# Altium PCB PCB.PcbDoc (continued)
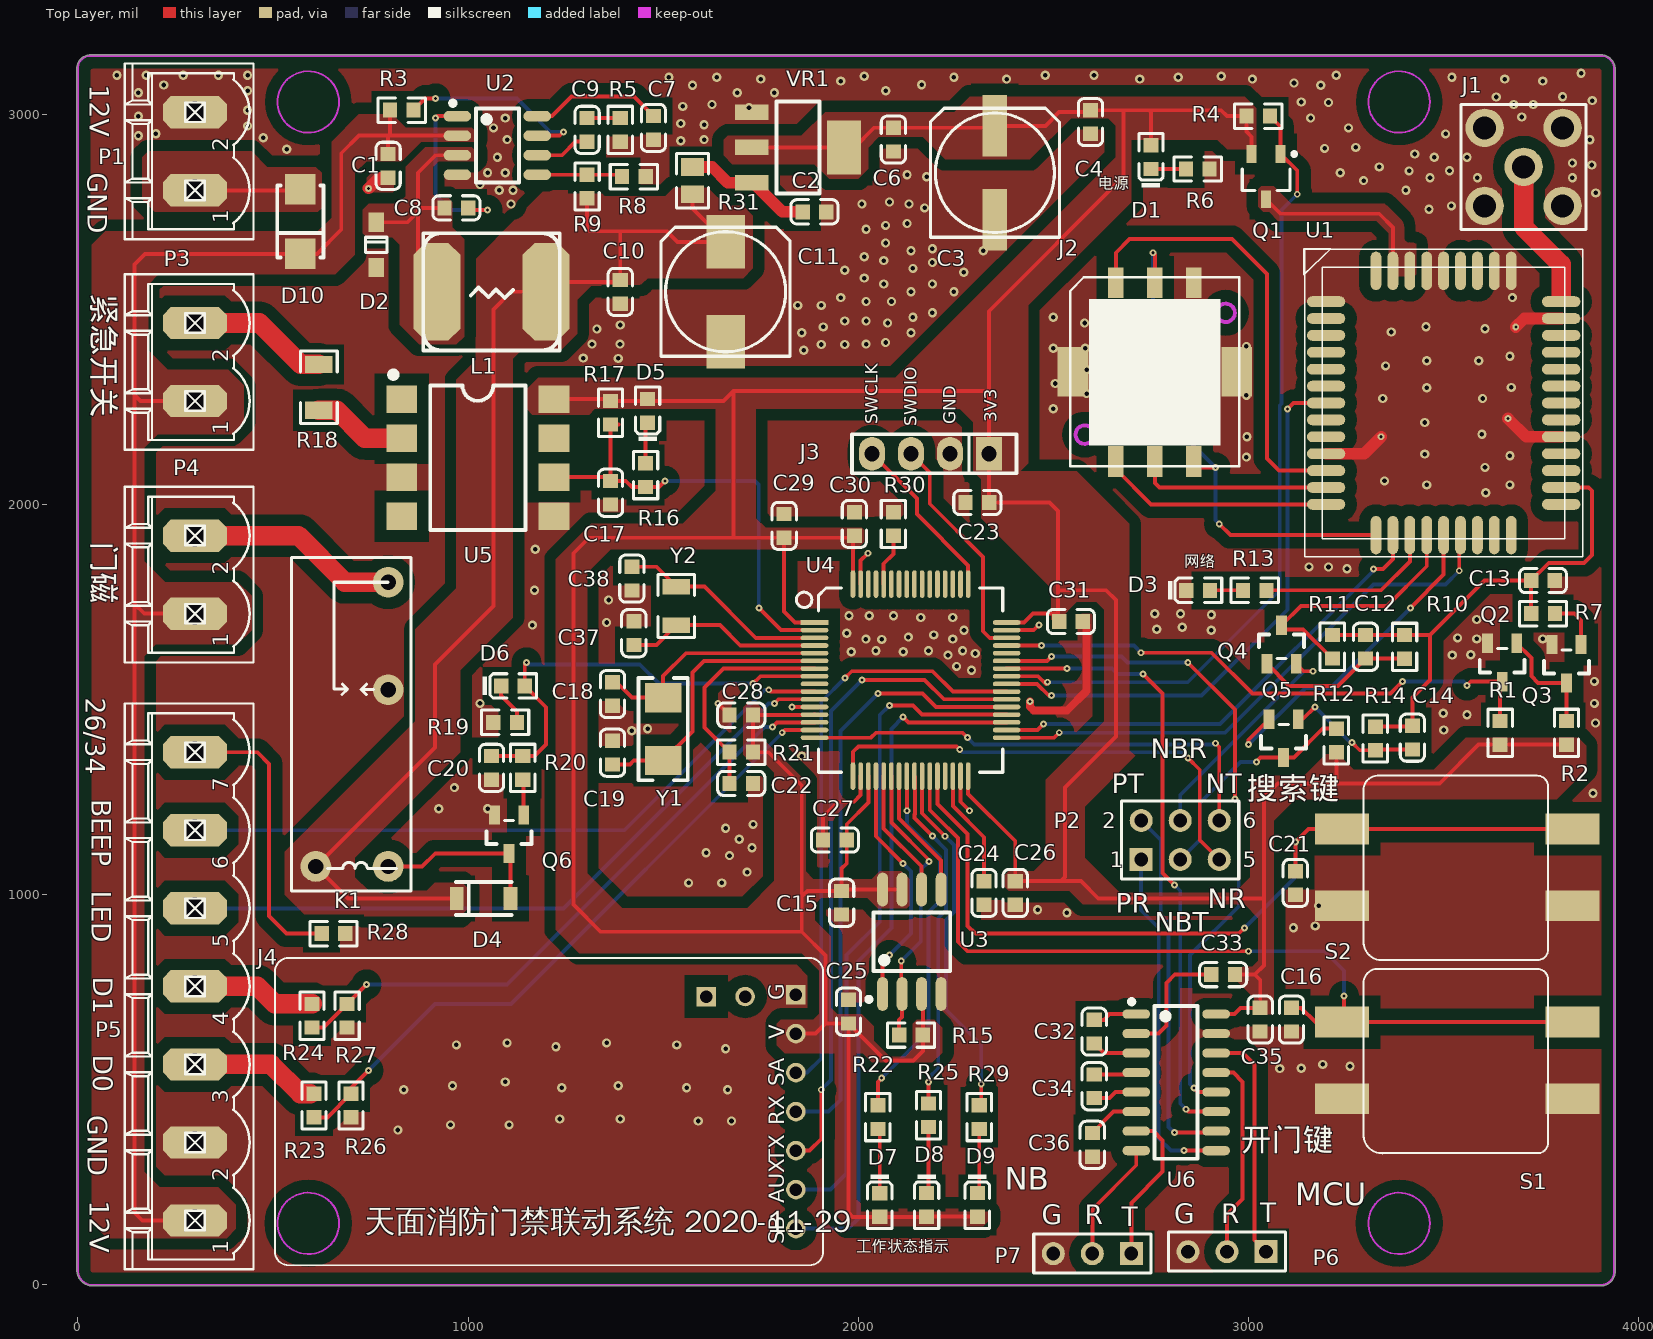
[diagram p0: Top Layer view]
## Part data (continued)
Y1: library part "SMD-5032_2P 8MHz 20ppm 20pF", "贴片晶振", Package=SMD-5032_2P, SuppliersPartNumber=C115962, ComponentLink1Description=供应, ComponentLink1URL=http://www.szlcsc.com/product/details_117214.html, Supplier=LC
Y2: library part "SMD-3215_2P 32.768KHz 20ppm 12.5pF", "贴片晶振", Package=SMD-3215_2P, SuppliersPartNumber=C32346, ComponentLink1Description=供应, ComponentLink1URL=http://www.szlcsc.com/product/details_33310.html, Supplier=LC

## Via types
v1: diameter 23.62, hole 11.81, Top Layer to Bottom Layer, 275 vias
v2: diameter 17.72, hole 7.87, Top Layer to Bottom Layer, 79 vias

## Nets (pads, with @x,y where several pads share a name; then routed paths per layer and width w, separated by ;. In a path a pad name is that pad's centre, name@x,y a point inside that pad or via, vN(x,y) a via of type N, cw(c..) or ccw(c..) an arc to the next point about the centre after c; other vN are vias at no path point)
3.3V: C3.1 C4.2 C6.2 C15.1 C23.1 C25.1 C26.2 C27.2 C28.2 C29.2 C30.2 C31.2 C33.2 C35.2 D1.A D5.A D7.A D8.A D9.A J3.1 J4.2 Q1.2 R1.2 R2.2 R4.2 R12.1 R15.1 R17.1 R21.2 U3.3 U3.7 U3.8 U4.1 U4.13 U4.19 U4.32 U4.48 U4.64 U5.8 U6.16 VR1.2 | length 13947.3
  Top Layer w10: U5.8@1200.32,2295 U5.8@1205,2290.31 ; U5.8 1360.32,2270 R17.1 1565,2265.31 1655,2265.32 1680,2290.32 ; VR1.2@1726.89,2915 1963.11,2915 1990,2915 2040.32,2965.31 C6.2 2345.24,2965.31 C3.1 2479.37,2970.08 2514.68,3005.39 2590.08,3005.39 C4.2 2680,3010.31 ; J4.2 1890.51,643.94 1916.26,669.68 ; U4.13 1886.61,1460 C28.2 R21.2 1770,1365 1855,1280 1855,995 ; U4.1 1837.83,1697.48 1810,1725.32 C29.2 ; U4.64 C30.2@1986.3,1915.98 ; C30.2 C30.2@1986.3,1915.98 ; U4.19 2025.67,1235.67 1970.32,1180.32 C27.2 1970.32,1080 1957.2,1066.89 C15.1 ; U3.7 U3.8 1960.75,1013.11 C15.1 ; U3.3 2165.31,742.28 R15.1 2165.31,599 2141.32,575 2069.68,575 C25.1 ; U4.32 2281.57,1258.43 2402.2,1137.8 C26.2 2519.57,1034.57 ; D9.A D8.A 2174.68,174.37 D7.A 1985.63,174.37 1975,185 C25.1 ; U4.48 2424.73,1697.48 2447.25,1720 2512.17,1720 2512.17,1780 ; D1.A 2750,3005.31 2745,3010.31 ; U6.16 2963.94,693.94 2980,710 C35.2 3030,781.1 3016.1,795 ; C33.2 3016.1,795 ; Q1.2 3007.6,2942.4 2994.68,2955.32 R4.2 2945.32,2995 2930,3010.31 2745,3010.31 ; R12.1 3225,1285 ; R2.2 R1.2 3589.37,1384.37 3490,1285 3225,1285 ; 1680,1914.68 C29.2 ; 1680,1914.68 1309.37,1914.68 1269.68,1875 1269.68,974.25 1338.94,905 1855,905 ; 1680,1914.68 1680,2290.32 ; 1680,2290.32 2330.32,2290.32 2335,2295 ; C29.2 1985,1914.68 C30.2@1986.3,1915.98 ; 1855,905 1855,995 ; 1855,905 1916.26,843.74 1916.26,669.68 ; 1855,995 1869.57,1009.57 C15.1 ; 1916.26,669.68 C25.1 ; 2335,2295 2335,2495 2680,2840 2680,3010.31 ; 2335,2295 J3.1 2335,2005.32 C23.1 2490,2005 2512.17,1982.83 2512.17,1780 ; 2512.17,1780 2635,1780 2660,1755 2660,1405 2530,1275 2530,1045 2519.57,1034.57 ; 2519.57,1034.57 2570.43,1034.57 2615,990 3040,990 ; 2680,3010.31 2745,3010.31 ; 3016.1,795 3040,818.9 3040,990 ; 3040,990 3040,1250 3075,1285 3225,1285
5V: C10.1 C11.1 D4.2 K1.4 L1.2 R9.2 R31.1 | length 3135.7
  Top Layer w10: D4.2 692.2,990 K1.4 915,1377.28 915,1590 1065,1740 1065,2500 1110,2545 L1.2 ; L1.2@1200,2620 1200,2570 1385,2570 C10.1 1390,2699.37 1389.37,2700 ; R9.2 1305,2707.5 1312.5,2700 1389.37,2700 ; R31.1 1575,2757.95 C11.1 1537.05,2672.95 1510,2700 1389.37,2700
+12: C1.2 D10.2 P3.1 P4.1 P5.1 R3.1 U2.2 | length 4112.6
  Top Layer w10: P5.1 165,165 145,185 145,1745 ; P4.1 170,1720 145,1745 ; P3.1 160,2265 145,2280 ; C1.2 795,2945 ; R3.1 799.69,2949.69 795,2945 ; U2.2 795,2945 ; 145,1745 145,2280 ; 145,2280 145,2615 172.32,2642.32 D10.2 612.32,2642.32 675,2705 675,2900 720,2945 795,2945
BOOT0: R30.1 U4.60 | length 134.1
  Top Layer w10: U4.60 2065.04,1847.99 2090,1872.95 R30.1
D0: P5.3 R23.2 | length 336.1
  Top Layer w10: R23.2@595,490 R23.2
  Top Layer w50: P5.3 495,565 570,490 R23.2@595,490
D1: P5.4 R24.2 | length 318.6
  Top Layer w50: P5.4 460,765 505,720 R24.2
DEBUG_RX: U4.43 U6.12 | length 1736.8
  Top Layer w10: U4.43 2484.06,1599.06 v2(2495,1610) ; v2(2844.41,1595) 2965,1474.41 v2(2965,1245) ; v2(2860,505) 2871.06,493.94 U6.12
  Bottom Layer w10: v2(2495,1610) 2675,1610 2690,1595 v2(2844.41,1595) ; v2(2860,505) 2850,515 2850,845 2975,970 2975,1235 v2(2965,1245)
DEBUG_TX: U4.42 U6.11 | length 1596.6
  Top Layer w10: U4.42 2534.37,1579.37 v2(2535,1580) ; v2(2730,1565) 2780,1515 2780,1055 v2(2810,1025) ; v2(2840,450) 2846.06,443.94 U6.11
  Bottom Layer w10: v2(2535,1580) 2650,1580 2665,1565 v2(2730,1565) ; v2(2810,1025) 2825,1010 2825,465 v2(2840,450)
DOOR_OPEN: C20.1 D6.A R20.1 U4.8 | length 1155
  Top Layer w10: C20.1 R20.1 1170.31,1355.31 1200,1385 1200,1480.32 D6.A 1145.32,1590.32 v2(1150,1595) ; v2(1730.32,1540.79) 1749.21,1559.68 U4.8
  Bottom Layer w10: v2(1150,1595) 1155,1590 1440,1590 1489.21,1540.79 v2(1730.32,1540.79)
GND: C1.1 C2.1 C3.2 C4.1 C6.1 C7.1 C10.2 C11.2 C13.1 C15.2 C16.2 C17.1 C18.1 C19.2 C20.2 C21.2 C22.2 C23.2 C24.2 C25.2 C26.1 C27.1 C28.1 C29.1 C30.1 C31.1 C35.1 C36.2 C37.2 C38.1 D2.1 D3.K J1.2 J1.3 J1.4 J1.5 J2.4 J2.7 J2.8 J3.2 J4.1 K1.2 P1.2 P5.2 P6.3 P7.3 Q2.2 Q3.2 Q6.2 R5.2 R6.1 R8.2 R19.1 R26.1 R27.1 R28.2 R30.2 S1.2 S1.4 S2.2 S2.4 U1.1 U1.10 U1.27 U1.34 U1.36 U1.37 U1.40 U1.41 U2.4 U3.4 U4.12 U4.18 U4.31 U4.47 U4.63 U5.3 U5.5 U6.15 VR1.1 | length 1544.3
  Top Layer w10: P1.2 P1.2@370,3005 ; C38.1 C38.1@1424.68,1774.68 ; v2(1640,1490) 1640,1489.68 C28.1 ; v2(1830,1480.94) U4.12 ; C27.1 1909.68,1199.68 1948.11,1238.11 1988.86,1238.11 2005.98,1255.24 U4.18 ; U4.63 2005.98,1855.98 v2(2025,1875) ; U4.31 2261.89,1238.11 v2(2285,1215) ; U4.47 2449.67,1677.8 v2(2462.66,1690.79)
  Top Layer w20: v2(2440,1495) 2440,1481.45 2449.31,1472.14 2535.16,1472.14 2585,1521.98 2585,1690.32 C31.1
  Top Layer w30: v2(745,2810) 772.44,2837.44 C1.1 ; U1.10 3296.69,2130.08 v2(3340,2173.39) ; v2(3665,2220) 3711.61,2173.39 U1.27 ; v2(3685,2454.88) 3706.65,2476.53 U1.34
  other v1: 820,396.87 955,410 1105,410 1590,420 1675,420 1235,425 1390,425 835,500 1665,500 1240,505 1560,505 960,510.4 1385,510.4 1095,520 3080,554.19 3135,555 3260,560 3190,565 1660,605 1225,610 970,615 1535,615 1100,620 1355,620 3115,915 3170.93,920 2534.6,953.6 2459.53,961.26 3180,971.57 1565,1030.13 1650,1030 1715,1057.8 1670,1100 1610,1107.55 1727.5,1120 1695,1141.95 1660,1170 1730.32,1180 925,1220 1050,1220 3882.97,1260 965,1274.25 1855,1355 1419.29,1420 3500.3,1421.89 1460,1425.32 3889.19,1440 3560,1461.26 3499.1,1465 1030.57,1490 3886.4,1490 3886.4,1546.48 2290,1575 2251.89,1585 2230,1613.94 3522.14,1613.94 3569.45,1615 2299.62,1617.86 1981.98,1622.71 2115,1622.71 2045,1625 2180,1625 2267.2,1625 2060,1654.1 2019.55,1655 2242.28,1655 3585,1655.3 3754.32,1655.3 3535.81,1657.86 2128.43,1660 2193.43,1665.63 1970.32,1670 2270.86,1677.8 2904.68,1677.8 2765,1680 2830,1685 1164.87,1690.79 1355,1697.48 3585,1705 2160,1710.2 2242.28,1710.2 1976.08,1715 2028.11,1715 2090.14,1715 2905,1717.47 2760,1719.74 2825.69,1719.74 1360,1755 1170.31,1780 3252.5,1835 3155,1840 3205,1839.68 1172.17,1885 3608.27,2030 3456.69,2050 3670,2050 3348.43,2060.32 3606.22,2095 2994.68,2121.23 3670,2125.01 3451.63,2128.94 2995.8,2173.39 3598.04,2180 3451.63,2210 2901.34,2215 2499.68,2245 2825,2255 3343.85,2271.43 3600,2271.43 2651.78,2275 2905.4,2280 2994.68,2280 2585,2284.14 3456.69,2299.06 2825,2300 3673.23,2300 2505,2310 2904.68,2335 2825.69,2340 2585,2345 2659.6,2355 3351.35,2355 3456.69,2368.27 3590,2368.27 1385,2374.17 1295,2375 3670,2380 1860,2395 2499.68,2400 2581.4,2400 2653.7,2405 2825.69,2405 2908.65,2405 2994.68,2405 1905,2410 1965,2410 1317.53,2410.91 1389.37,2410.91 2020,2410.91 2070,2415 1855,2440 2135,2440 3365.79,2442.02 1330,2449.68 3606.22,2450 1910,2454.88 3455,2455.31 1390,2460 2075,2465 2580,2465 2651.78,2465 2820,2465.11 1965,2470 2020,2470 2140,2480 2499.68,2480 2190,2491 1845,2510 1905,2510 2020,2520 2085,2520 1955,2530 3676.38,2530 2135,2545 2245,2545 2065,2565 2190,2565 2015,2580 2270,2595 1965,2600 2140,2605 2190,2620 2065,2625 2015,2635 2135,2650 2320,2650 2190,2655 2070,2670 2020,2705 2070,2715 2125,2720 3462.7,2756.36 2170,2760 3520,2765 1110,2770 2009.21,2770 2130,2770 2080,2775 3890,2798.43 1080,2805 1115,2805 3403.28,2805 1030.57,2820 3295,2830 3465,2837.44 3586.61,2837.44 3830,2837.44 2175,2840 2125,2845 1050,2850 1095,2850 3235,2850 3411.54,2854.74 3515,2855 3335,2865 3879.58,2870 3830,2875 1075,2890 3476.1,2890 3560,2890 3425.81,2898.07 535,2910 3195,2912.5 3275,2915 1545,2932.19 1100,2935 1604.74,2935 3875.03,2934.69 475,2940 155,2945 200,2950 3505.07,2949.69 1065,2965 3256.33,2965 435,2970 1604.74,2972.92 1545,2976.4 1095,2990 3159.1,2990.31 3700,2992.88 155,2995 435,3010 1720,3017.08 1550,3020 1625,3025 3680,3025 3730,3025 3205,3030 3135,3031.5 3880.77,3035 3635,3044.29 3805,3045 155,3055 1690,3055 1785,3055 435,3060 2070.43,3060 1575,3074.23 3185,3074.23 220,3075 2162.2,3075.57 3116.5,3080 1955,3085 3754.32,3085 1750,3090 2380,3090 2721.08,3090 3010,3090 3656.96,3090 1514.65,3095 1637.5,3095 2245,3095 2820,3095 3521.23,3095 2015.13,3097.08 2929.89,3097.08 100,3100 175,3100 270,3100 360,3100 435,3100 2479.37,3100 2604,3100 3225,3100 3852.4,3105
GREEN_LED: R25.2 U4.25 | length 892
  Top Layer w10: U4.25 2144.86,1302.7 2144.86,1206.77 2143.78,1205.7 2143.78,1196.22 v2(2190,1150) ; R25.2 v2(2180,520)
  Bottom Layer w10: v2(2180,520) 2180,530 2205,555 2205,940 2225,960 2225,1115 v2(2190,1150)
KEY_EMERGENCY: C17.2 R16.1 R17.2 U4.2 U5.6 | length 1192.3
  Top Layer w10: U5.6 1355.32,2070 C17.2 ; 1385.32,2204.68 R17.2 C17.2 ; v2(1505,2060) 1489.69,2044.69 R16.1 1419.68,2044.69 1404.05,2060.32 C17.2 ; v2(1745,1735) 1802.2,1677.8 U4.2
  Bottom Layer w10: v2(1505,2060) 1735,2060 1745,2050 v2(1745,1735)
KEY_OPEN: C16.1 S1.1 S1.3 U4.27 | length 2353.7
  Top Layer w10: U4.27 2183.15,1216.85 2230.5,1169.5 2230.75,1169.5 2255,1145.25 2255,880 2280,855 v2(3000,855) ; C16.1 3135,710 3171.57,673.43 S1.1@3249.72,673.43 ; v2(3245,740) 3245,678.15 S1.1@3249.72,673.43 ; S1.3@3840.28,673.43 S1.1@3249.72,673.43
  Bottom Layer w10: v2(3000,855) 3195,855 3245,805 v2(3245,740)
KEY_SEARCH: C21.1 S2.1 S2.3 U4.28 | length 2222.9
  Top Layer w10: U4.28 2202.83,1232.17 2280,1155 2280,920 2300,900 2975,900 v2(2990,915) ; C21.1 v2(3120,1135) 3153.43,1168.43 3249.72,1168.43 S2.3@3840.28,1168.43
  Bottom Layer w10: v2(2990,915) 3120,1045 v2(3120,1135)
"LORA AUX": J4.6 U4.36 | length 1702.4
  Top Layer w10: v2(2080,1485) 2140,1485 2163.74,1461.26 U4.36
  Bottom Layer w10: J4.6 1928.94,243.94 1970,285 1970,845 2055,930 2055,1460 v2(2080,1485)
"LORA SETA": J4.3 U4.39 | length 1523.4
  Top Layer w10: v2(1965.63,1555) 1983.23,1572.6 2190,1572.6 2242.28,1520.31 U4.39
  Bottom Layer w10: J4.3 1868.94,543.94 1905,580 1905,1494.37 v2(1965.63,1555)
"LORA SETB": J4.7 U4.35 | length 1774
  Top Layer w10: v2(2115,1455) 2128.43,1441.57 U4.35
  Bottom Layer w10: J4.7 1973.94,143.94 2000,170 2000,830 2085,915 2085,1425 v2(2115,1455)
LORA_RXD: J4.5 U4.38 | length 1687.8
  Top Layer w10: J4.5 1874.8,343.94 1905,374.13 v2(1905,500) ; v2(2009.21,1550) 2170,1550 2219.37,1500.63 U4.38
  Bottom Layer w10: v2(1905,500) 1930,525 1930,1470.79 v2(2009.21,1550)
LORA_TXD: J4.4 U4.37 | length 1551.3
  Top Layer w10: v2(2050,1515) 2165,1515 2199.06,1480.94 U4.37
  Bottom Layer w10: J4.4 1923.94,443.94 1954,474 1954,1419 v2(2050,1515)
MCU_NB_RXD: P2.5 U4.17 | length 1232.5
  Top Layer w10: U4.17 1986.3,1366.3 2000,1380 2251.89,1380 v2(2260,1371.89) ; v2(2845,1350) 2875,1320 2875,1140 P2.5
  Bottom Layer w10: v2(2260,1371.89) 2266.89,1365 2830,1365 v2(2845,1350)
MCU_NB_TXD: P2.6 U4.16 | length 1248.2
  Top Layer w10: U4.16 2032.2,1402.2 2045,1415 2267.2,1415 v2(2280,1402.2) ; v2(2915,1387.97) 2925,1377.97 P2.6
  Bottom Layer w10: v2(2280,1402.2) 2297.2,1385 2912.03,1385 v2(2915,1387.97)
NB_DTR: U1.19 U4.33 | length 1430
  Top Layer w10: U4.33 2502.2,1402.2 v2(2515,1415) ; v2(3540,1830) 3540,1918.11 U1.19
  Bottom Layer w10: v2(2515,1415) 2940,1415 3320,1795 3505,1795 v2(3540,1830)
NB_ON/OFF: U1.7 U4.40 | length 1443.6
  Top Layer w10: U4.40 2457.96,1540 2487.96,1510 v2(2495,1510) ; v2(3100,2245) 3115,2260 U1.7
  Bottom Layer w10: v2(2495,1510) 2880,1510 3100,1730 v2(3100,2245)
NB_POWER: Q1.1 R4.1 U4.41 | length 2070.1
  Top Layer w10: U4.41 2460.91,1559.68 2480.59,1540 v2(2485,1544.41) ; R4.1 3082.4,2967.91 Q1.1 3125,2855.47 v2(3125,2795)
  Bottom Layer w10: v2(2485,1544.41) 2844.41,1544.41 3080.14,1780.14 3080.14,2253.23 3085,2258.08 3085,2755 v2(3125,2795)
NB_PWR: Q2.3 R1.1 U4.45 | length 1444.6
  Top Layer w10: U4.45 v2(2470,1638.43) ; v2(2725,1620) 2905,1620 3010,1515 3363.66,1515 3394.45,1545.79 v2(3395,1545.79) ; v2(3560,1536.34) 3569.45,1545.79 Q2.3 3645,1540.79 R1.1
  Bottom Layer w10: v2(2470,1638.43) 2706.57,1638.43 v2(2725,1620) ; v2(3395,1545.79) 3550.55,1545.79 v2(3560,1536.34)
NB_R: P2.4 Q4.2 | length 587.4
  Top Layer w10: Q4.2 3141.42,1572.6 v2(3165,1572.6)
  Bottom Layer w10: P2.4 2825,1255 3142.6,1572.6 v2(3165,1572.6)
NB_Reset: U1.15 U4.34 | length 1235.8
  Top Layer w10: U4.34 2459.53,1421.89 v2(2475,1437.36) ; v2(3320,1835) 3345,1835 3370.08,1860.08 U1.15
  Bottom Layer w10: v2(2475,1437.36) 2927.36,1437.36 3320,1830 v2(3320,1835)
NB_RX_DB: P7.2 U6.8 | length 310.6
  Top Layer w10: P7.2 2599.68,193.82 2712.32,306.46 U6.8
NB_RXD: Q4.3 R11.1 U1.17 | length 679.7
  Top Layer w10: R11.1 3139.72,1680 3095.04,1680 Q4.3 3134.41,1740 3355,1740 3456.69,1841.69 U1.17
NB_T: P2.3 Q5.3 R12.2 | length 594.5
  Top Layer w10: v2(3020,1340) 3031.1,1351.1 Q5.3 3116.1,1351.1 3190.32,1425.32 R12.2
  Bottom Layer w10: P2.3 2875,1140 2875,1235 2980,1340 v2(3020,1340)
NB_TX_DB: P7.1 U6.7 | length 400.9
  Top Layer w10: P7.1 2699.68,209.68 2780,290 2780,370 2756.06,393.94 U6.7
NB_TXD: Q5.2 U1.18 | length 868.8
  Top Layer w10: v2(3000,1384.37) 3000,1396.93 Q5.2 ; v2(3415,1735) 3500,1820 U1.18
  Bottom Layer w10: v2(3000,1384.37) 3145.63,1530 3210,1530 v2(3415,1735)
NetC2_2: C2.2 R31.2 VR1.3 | length 327.3
  Top Layer w30: R31.2 1625.12,2864.88 1665.55,2824.45 VR1.3 1730.55,2824.45 1805,2750 C2.2@1854.67,2750
NetC7_2: C7.2 U2.8 | length 338.9
  Top Layer w10: U2.8 1215,2995 1265,3045 1425.32,3045 C7.2
NetC8_1: C8.1 D2.2 L1.1 U2.3 | length 634.2
  Top Layer w10: D2.2 845,2723.07 871.93,2750 ; L1.1 871.93,2593.07 871.93,2750 ; C8.1 881.93,2760 871.93,2750 ; U2.3 916.93,2895 871.93,2850 871.93,2750
NetC8_2: C8.2 U2.1 | length 455.3
  Top Layer w10: v2(916.93,2990) 921.93,2995 U2.1 ; C8.2 1005.32,2755 v2(1050,2755)
  Bottom Layer w10: v2(916.93,2990) 916.93,2793.07 955,2755 v2(1050,2755)
NetC9_1: C9.1 R5.1 | length 85
  Top Layer w10: C9.1 R5.1
NetC9_2: C9.2 U2.6 | length 142
  Top Layer w10: U2.6 1240.32,2895 1275,2929.69 C9.2
NetC12_1: C12.1 Q4.1 R10.1 | length 405.4
  Top Layer w10: Q4.1 3104.21,1535 3229.72,1535 C12.1 3300.04,1604.69 R10.1
NetC14_2: C14.2 Q5.1 R14.2 | length 351.2
  Top Layer w10: Q5.1 3138.58,1449.53 v2(3170,1480.94) ; v2(3265,1390) 3285,1370 R14.2 3326.89,1371.89 C14.2
  Bottom Layer w10: v2(3170,1480.94) v2@3262.97,1387.97
NetC18_2: C18.2 U4.5 Y1.1 | length 613.8
  Top Layer w10: C18.2 1380.28,1544.41 1419.88,1504.8 Y1.1 1500,1560 1558.74,1618.74 U4.5
NetC19_1: C19.1 U4.6 Y1.2 | length 716.3
  Top Layer w10: C19.1 1414.53,1333.43 1424.49,1343.39 Y1.2 1575,1418.39 1575,1569.37 1604.68,1599.06 U4.6
NetC24_1: C24.1 U4.30 | length 302.3
  Top Layer w10: U4.30 2242.2,1227.2 2322.2,1147.2 C24.1
NetC32_1: C32.1 U6.3 | length 117.9
  Top Layer w10: C32.1 2629.37,593.94 U6.3
NetC32_2: C32.2 U6.1 | length 113.7
  Top Layer w10: C32.2 2629.25,679.25 2643.94,693.94 U6.1
NetC33_1: C33.1 U6.2 | length 318.7
  Top Layer w10: U6.2 2768.94,643.94 2790,665 2790,773.94 2811.06,795 C33.1
NetC34_1: C34.1 U6.4 | length 109.6
  Top Layer w10: C34.1 2707.64,539.25 U6.4
NetC34_2: C34.2 U6.5 | length 114
  Top Layer w10: C34.2 2643.62,478.62 2658.94,493.94 U6.5
NetC36_1: C36.1 U6.6 | length 135.3
  Top Layer w10: C36.1 2654.37,443.94 U6.6
NetC37_1: C37.1 U4.4 Y2.1 | length 506
  Top Layer w10: C37.1 1482.32,1639.68 Y2.1 1645.16,1690.79 1697.52,1638.43 U4.4
NetC38_2: C38.2 U4.3 Y2.2 | length 543.7
  Top Layer w10: C38.2 1482.32,1840.32 Y2.2 1606.1,1789.21 1737.2,1658.11 U4.3
NetD1_K: D1.K R6.2 | length 89.7
  Top Layer w10: D1.K R6.2
NetD3_A: D3.A R13.1 | length 84.4
  Top Layer w10: D3.A R13.1
NetD4_1: D4.1 K1.1 Q6.3 | length 441.3
  Top Layer w10: K1.1 882.24,1072.24 915.79,1105.79 Q6.3 1108.9,1101.89 D4.1
NetD5_K: D5.K R16.2 | length 106.4
  Top Layer w10: R16.2 1455,2204.69 D5.K
NetD6_K: D6.K R19.2 | length 110.3
  Top Layer w10: D6.K 1084.69,1510.31 1125.32,1469.68 R19.2
NetD7_K: D7.K R22.1 | length 166.4
  Top Layer w10: R22.1 2055,394.37 D7.K
NetD8_K: D8.K R25.1 | length 166.1
  Top Layer w10: D8.K@2175,240.31 2180,245.31 R25.1
NetD9_K: D9.K R29.1 | length 161.8
  Top Layer w10: D9.K@2305,239.68 2310,244.68 R29.1
NetD10_1: D10.1 P1.1 | length 271.1
  Top Layer w10: P1.1 567.32,2805 D10.1
NetJ1_1: J1.1 U1.35 | length 371.4
  Top Layer w10: U1.35 U1.35@3801.18,2522.53
  Top Layer w50: J1.1 3705,2711.18 3801.18,2615 3801.18,2536.18
NetK1_3: K1.3 P4.2 | length 544.5
  Top Layer w50: P4.2 565,1920 684.41,1800.59 K1.3
NetP3_2: P3.2 R18.2 | length 361.4
  Top Layer w50: P3.2 465,2465 571.34,2358.66 R18.2
NetP5_7: P5.7 R28.1 | length 745.8
  Top Layer w10: P5.7 460,1365 490,1335 490,945 535,900 R28.1
NetQ1_3: Q1.3 U1.42 U1.43 | length 466.2
  Top Layer w10: Q1.3 3081.93,2745 3335,2745 3370.08,2709.92 U1.43
NetQ2_1: Q2.1 Q3.3 R2.1 | length 294.6
  Top Layer w10: Q2.1 3725,1606.61 3725,1560 3742.32,1542.68 Q3.3 R2.1
NetQ3_1: Q3.1 R7.1 | length 136
  Top Layer w10: R7.1 3835.31,1720 3852.4,1702.91 Q3.1
NetQ6_1: Q6.1 R20.2 | length 91.5
  Top Layer w10: R20.2 1142.4,1292.28 Q6.1
NetR3_2: R3.2 U2.7 | length 504
  Top Layer w10: R3.2 890,3040 v2(916.93,3040) ; U2.7 1235,2945 v2(1245,2955)
  Bottom Layer w10: v2(916.93,3040) 1125,3040 1210,2955 v2(1245,2955)
NetR8_1: R8.1 R9.1 U2.5 | length 219.1
  Top Layer w10: U2.5 R9.1 1389.37,2845 R8.1
NetR13_2: R13.2 U1.16 | length 465.5
  Top Layer w10: R13.2 3340,1780 3413.39,1853.39 U1.16
NetR18_1: R18.1 U5.2 | length 242.3
  Top Layer w50: R18.1 663.66,2241.34 735,2170 U5.2
NRST: C22.1 R21.1 U4.7 | length 574.7
  Top Layer w10: C22.1 R21.1 1606.1,1428.58 1606.1,1531.1 1655,1580 1887.24,1580 U4.7
PC_RXD: P2.1 U6.9 | length 893.6
  Top Layer w10: v2(2835,343.94) U6.9
  Bottom Layer w10: P2.1 2725,960 2770,915 2770,375 2801.06,343.94 v2(2835,343.94)
PC_TXD: P2.2 U6.10 | length 944.8
  Top Layer w10: v2(2810,390) 2910.98,390 2915.98,395 U6.10
  Bottom Layer w10: P2.2 2775,1140 2775,950 2795,930 2795,405 v2(2810,390)
RED_LED: R22.2 U4.24 | length 944.8
  Top Layer w10: R22.2 2050,520 v2(2060,530) ; U4.24 2125,1302.87 v2(2125,1215)
  Bottom Layer w10: v2(2060,530) 2180,650 2180,955 2209,984 2209,1096 2125,1180 v2(2125,1215)
RS232_RXD: P6.2 U6.13 | length 529.4
  Top Layer w10: U6.13 2961.06,543.94 2985,520 2985,220 2945,180 P6.2
RS232_TXD: P6.1 U6.14 | length 602.4
  Top Layer w10: U6.14 2986.06,593.94 3015,565 3015,115 P6.1
sim_clk: J2.1 U1.13 | length 595.9
  Top Layer w10: J2.1 2660,2090.16 2750,2000.16 U1.13
sim_io: J2.6 U1.11 | length 1152.9
  Top Layer w10: J2.6 2660,2645 2695,2680 2957.6,2680 3047.32,2590.28 3047.32,2117.68 3078.23,2086.77 U1.11
sim_reset: J2.2 U1.12 | length 498.6
  Top Layer w10: J2.2 2760,2055 2771.53,2043.47 U1.12
sim_vcc: J2.3 J2.5 U1.14 | length 1319.3
  Top Layer w10: v2(2755,2645) 2760,2640 J2.5 ; J2.3 2875,2095 v2(2915,2095) ; v2(2925,1950) 2953.58,1921.42 U1.14
  Bottom Layer w10: v2(2755,2645) 2755,2255 v2(2915,2095) 2915,1960 v2(2925,1950)
SPI1_MISO: R15.2 U3.2 U4.22 | length 738.9
  Top Layer w10: U4.22 2084.72,1185.28 2183.15,1086.85 v2(2181.3,1085) ; R15.2 2104.68,679.37 2112.2,686.89 U3.2 2110,747.6 v2(2110,830)
  Bottom Layer w10: v2(2110,830) 2160,880 2160,1063.7 v2(2181.3,1085)
SPI1_MOSI: U3.5 U4.23 | length 335.3
  Top Layer w10: U4.23 2104.41,1195.59 2212.2,1087.8 U3.5
SPI1_NSS: U3.1 U4.20 | length 625.7
  Top Layer w10: U4.20 2045.35,1149.65 v2(2115,1080) ; U3.1 2062.2,827.2 v2(2080,845)
  Bottom Layer w10: v2(2080,845) 2135,900 2135,1060 v2(2115,1080)
SPI1_SCK: U3.6 U4.21 | length 330.9
  Top Layer w10: U4.21 2065.04,1189.96 2065.04,1169.96 2162.2,1072.8 U3.6
SWCLK: J3.4 U4.49 | length 436.2
  Top Layer w10: J3.4 2150,2015 2150,1975 2281.57,1843.43 U4.49
SWDIO: J3.3 U4.46 | length 598.6
  Top Layer w10: J3.3 2183.15,2081.85 2183.15,2001.85 2320,1865 2320,1675 2336.89,1658.11 U4.46
VDD_EXT: C12.2 C13.2 C14.1 R7.2 R10.2 R11.2 R14.1 U1.24 | length 1429.9
  Top Layer w10: R11.2 C12.2 3399.69,1665.63 R10.2 3465,1665.32 ; R14.1 3418.11,1430.63 C14.1 3420,1505 3465,1550 3465,1665.32 ; R7.2 3724.37,1720.31 C13.2 ; U1.24 3871.53,2043.47 3880,2035 3880,1870 3860,1850 3769.37,1850 C13.2 ; 3465,1665.32 3604.68,1805 C13.2
WG_BEEP: P5.6 U4.10 | length 1738.9
  Top Layer w10: v2(1770.59,1525) 1775.28,1520.31 U4.10
  Bottom Layer w10: P5.6 1400.59,1165 1760.59,1525 v2(1770.59,1525)
WG_D0: R23.1 R26.2 U4.15 | length 1702.4
  Top Layer w10: R23.1 639.37,429.37 R26.2 700,504.37 v2(745,549.37) ; v2(1805,1415) 1811.89,1421.89 U4.15
  Bottom Layer w10: v2(745,549.37) 915.63,720 1110,720 v2(1805,1415)
WG_D1: R24.1 R27.2 U4.14 | length 1611.9
  Top Layer w10: R24.1 629.37,659.37 R27.2 v2(740,770) ; v2(1780,1430) 1791.57,1441.57 U4.14
  Bottom Layer w10: v2(740,770) 1100,770 1760,1430 v2(1780,1430)
WG_LED: P5.5 U4.11 | length 1809.9
  Top Layer w10: v2(1785,1490) 1795.8,1500.8 1887.7,1500.8 U4.11
  Bottom Layer w10: P5.5 1245,965 1770,1490 v2(1785,1490)
YELLOW_LED: R29.2 U4.26 | length 925.2
  Top Layer w10: U4.26 2163.46,1208.7 v2(2222.52,1149.65) ; R29.2 2315,465 v2(2315,515)
  Bottom Layer w10: v2(2222.52,1149.65) 2245,1127.17 2245,955 2225,935 2225,705 2315,615 v2(2315,515)
pads on no net: J4.8 J4.9 U1.2 U1.3 U1.4 U1.5 U1.6 U1.8 U1.9 U1.20 U1.21 U1.22 U1.23 U1.25 U1.26 U1.28 U1.29 U1.30 U1.31 U1.32 U1.33 U1.38 U1.39 U1.44 U4.9 U4.29 U4.44 U4.50 U4.51 U4.52 U4.53 U4.54 U4.55 U4.56 U4.57 U4.58 U4.59 U4.61 U4.62 U5.1 U5.4 U5.7

## Polygon pours and split planes (outlines as drawn)
5V on Top Layer "bot gnd" (solid, remove dead copper, pour order 46): 1615,2815 1665,2765 1705,2765 1730,2740 1730,2605 1705,2580 1460,2580 1440,2560 1315,2560 1280,2525 1280,2437.5 1237.5,2395 1136.34,2395 1115,2373.66 1115,1710 980,1575 980,1365 710,1095 710,1045 745,1010 745,1009.57 894.44,1009.57 915,1030.13 984.87,1030.13 1000,1015 1000,965 980,945 585,945 530,1000 530,1110 865,1445 865,1680 970,1785 970,2320 1020,2370 1020,2629.8 1195.04,2804.84 1335.16,2804.84 1350,2790 1505,2790 1530,2815
GND on Top Layer "bot gnd" (solid, remove dead copper, pour order 38): 0,5 3932.01,5 3937.01,10 3937.01,3142.99 3930,3150 -0.03,3150 -0.03,5.03
NetD10_1 on Top Layer "bot gnd" (solid, remove dead copper, pour order 10): 445,2904.69 485,2864.69 610,2864.69 624.69,2850 624.69,2759.69 615,2750 196.93,2750 165,2781.93 165,2889.69 180,2904.69
NetQ1_3 on Top Layer "bot gnd" (solid, remove dead copper, pour order 42): 2005.98,1255.24
NetQ1_3 on Top Layer "bot gnd" (solid, remove dead copper, pour order 40): 3025,2807.68 3025,2762.71 3037.71,2750 3052.6,2750 3075.03,2727.57 3327.73,2727.57 3359.96,2695.34 3359.96,2585 3424.72,2585 3430,2590.28 3430,2699.92 3359.96,2769.96 3110.04,2769.96 3065,2815 3032.32,2815
GND on Top Layer "bot gnd" (solid, remove dead copper, pour order 36): 0,5
GND on Top Layer "bot gnd" (solid, remove dead copper, pour order 34): 0,5
+12 on Top Layer "bot gnd" (solid, remove dead copper, pour order 32): 70,2700 35,2665 35,160 75,120 381.06,120 405,143.94 405,205 360,250 210,250 170,290 170,1611.1 200,1641.1 408.31,1641.1 445,1677.8 445,1765.59 410,1800.59 224.41,1800.59 170,1855 170,2145 205,2180 395,2180 425,2210 425,2305 385,2345 230,2345 180,2395 180,2563.58 206.42,2590 545,2590 550,2595 550,2685 535,2700
3.3V on Top Layer "bot gnd" (solid, remove dead copper, pour order 30): 1940,600 1940,180.32 1970.32,150 2320,150 2335,165 2335,185 2325,195 2020,195 1995,220 1995,600 1990,605 1945,605
3.3V on Top Layer "bot gnd" (solid, remove dead copper, pour order 24): 1635,2260 1635,2035 1550,1950 1315,1950 1225,1860 1225,910 1285,850 1855,850 1900,805 1900,694.25 1885,679.25 1801.14,679.25 1791.57,669.68 1791.57,613.43 1811.06,593.94 2011.06,593.94 2035,570 2190,570 2215,595 2215,659.25 2195,679.25 2149.57,679.25 2140,669.68 2140,605 2120,585 2080,585 2040,625 2040,663.15 2009.21,693.94 1946.06,693.94 1930,710 1930,892.87 1887.87,935 1887.87,975.37 1905,992.5 2022.5,992.5 2050,965 2124.09,965 2130,970.91 2130,1040.32 2110,1060.32 2055.32,1060.32 2035,1040 1885,1040 1865,1060 1865,1290 1755,1400 1755,1475 1735,1495 1720,1495 1705,1480 1705,1358.74 1730.32,1333.43 1763.78,1333.43 1785,1312.2 1785,1035 1715,965 1395,965 1305,1055 1305,1825 1365,1885 1995,1885 2015,1905 2015,1934.21 2009.21,1940 1762.2,1940 1737.2,1965 1737.2,2249.68 1726.89,2260
3.3V on Top Layer "bot gnd" (solid, remove dead copper, pour order 18): 2295,2085 2315,2065 2315,1965 2495,1785 2495,1705 2515,1705 2560,1750 2610,1750 2630,1730 2630,1445 2480,1295 2480,1090.32 2450,1060.32 2385.32,1060.32 2375,1050 2375,1020 2385,1010 2540.32,1010 2575.32,975 2990.04,975 3025,940.04 3025,830 3010,815 2985,815 2970,800 2970,778.94 3015,733.94 3015,693.94 3058.94,693.94 3065,700 3065,1190 3120,1245 3790,1245 3865,1320 3865,1382.2 3845,1402.2 3557.2,1402.2 3475,1320 3270,1320 3235,1355 3235,1360 3198.43,1360 3143.43,1305 3030,1305 3005,1280 3005,1045 2965,1005 2670,1005 2580,1095 2580,1225.31 2710,1355.31 2695,1370.31 2695,1950 2560,2085
3.3V on Top Layer "bot gnd" (solid, remove dead copper, pour order 16): 2660,2980 2660,2890 2095,2325 1180,2325 1150,2295 1150,2245 1165,2230 1310,2230 1325,2245 2260,2245 2295,2210 2295,2085 2310,2070 2399.68,2070 2435,2105.32 2435,2510 2699.68,2774.68 2699.68,2970.32 2690,2980
3.3V on Top Layer "bot gnd" (solid, remove dead copper, pour order 12): 1854.29,2944.84 1915,3005.55 2245.55,3005.55 2285,3045 2990,3045 3020,3015 3020,2915 3015,2910 2945,2910 2920,2935 2695.31,2935 2640,2990.31 2545.31,2990.31 2440,2885 2222.72,2885 2165.31,2942.4 2053.03,2942.4 2025,2914.37 2025,2860 2000,2835 1925,2835 1887.66,2872.34 1677.5,2872.34 1655,2894.84 1655,2934.84 1665,2944.84
NetC8_1 on Top Layer "bot gnd" (solid, remove dead copper, pour order 4): 1009.68,2915 1020,2904.69 1020,2885 1015,2880 925.31,2880 910,2864.69 910,2795 920,2785 950,2785 960,2775 960,2710 990,2680 990,2430 970,2410 875,2410 825,2460 825,2665 805,2685 740,2685 730,2695 730,2755 745,2770 820,2770 840,2790 840,2865 890,2915
+12 on Top Layer "bot gnd" (solid, remove dead copper, pour order 2): 615,2700 650,2735 650,2930 720,3000 805,3000 840,2965 1010,2965 1020,2955 1020,2934.69 1015,2929.69 879.68,2929.69 830,2880 740,2880 710,2850 710,2640 660,2590 515,2590 485,2620 485,2680 505,2700
no net on Top Layer "bot gnd" (solid, remove dead copper, pour order 0): 3065,3025
GND on Bottom Layer "bot gnd" (solid, remove dead copper, pour order 28): 0,0 3935,0 3935,3149.47 0.5,3149.47 0,3149.97

## Keep-outs
Keep-Out Layer:
  circle w5: c3385.83,3031.5 r78.74
  circle w5: c590.55,3031.5 r78.74
  circle w5: c3385.83,157.48 r78.74
  circle w5: c590.55,157.48 r78.74
  lines w5: -0.03,3115 cw(c32.3,3117.3) 35,3149.61 ; 0,35 0,3115 ; 0,40 ccw(c37.5,37.5) 40,0 ; 34.61,3149.61 3900.39,3149.61 ; 35,0 3905,0 ccw(c3903.5,33.5) 3937.01,35 ; 3900.41,3149.47 cw(c3903.7,3116.3) 3937.01,3115 ; 3937.01,32.01 3937.01,3112.99

## Silkscreen, mask and mechanical layers (free items; w line width, h text height)
Top Overlay:
  text "12V" at 30,3075 h50 r270
  text "GND" at 25,2850 h50 r270
  text "电源" at 2615,2798.43 h50
  text "紧急开关" at 20,2540 h100 r270
  text "3V3" at 2355,2210 h32 r90
  text "SWCLK" at 2050,2205 h32 r90
  text "GND" at 2250,2205 h32 r90
  text "SWDIO" at 2150,2200 h32 r90
  text "门磁" at 20,1905 h100 r270
  text "网络" at 2835,1830 h50
  text "26/34" at 20,1505 h50 r270
  text "NBR" at 2750,1350 h50
  text "PT" at 2650,1260 h50
  text "NT" at 2890.32,1260 h50
  text "BEEP" at 35,1245 h50 r270
  text "搜索键" at 2995.43,1225 h100
  text "LED" at 35,1010 h50 r270
  text "NR" at 2895,965 h50
  text "PR" at 2660,954.06 h50
  text "NBT" at 2759.57,905 h50
  text "D1" at 40,790 h50 r270
  text "D0" at 40,590 h50 r270
  text "GND" at 25,435 h50 r270
  text "开门键" at 2980,325 h100
  text "NB" at 2375,225 h100
  text "12V" at 30,215 h50 r270
  text "MCU" at 3120,185 h100
  text "T" at 3030,160 h50
  text "G" at 2810,157.48 h50
  text "R" at 2930,157.48 h50
  text "G" at 2470,155 h50
  text "R" at 2580,155 h50
  text "T" at 2675,150 h50
  text "天面消防门禁联动系统 2020-11-29" at 735,115 h100
  text "工作状态指示" at 1995,75 h50

## Dimensions
3900.39,3149.61 to 3905,0 on Top Overlay
0,3115 to 3937.01,3112.99 on Top Overlay
646.23,3087.17 to 646.23,213.16 on Top Overlay
646.23,3087.17 to 3441.5,3087.17 on Top Overlay

## Text inside footprints (layer, text, board x,y; h text height)
J4: Top Overlay "G" at 1810,728.94 h40 r90; Top Overlay "V" at 1810,628.94 h40 r90; Top Overlay "SA" at 1810,508.94 h40 r90; Top Overlay "RX" at 1810,408.94 h40 r90; Top Overlay "TX" at 1810,313.94 h40 r90; Top Overlay "AUX" at 1810,208.94 h40 r90; Top Overlay "SB" at 1810,103.94 h40 r90
P1: Top Overlay "1" at 385,2720 h40 r90; Top Overlay "2" at 385,2905 h40 r90
P2: Top Overlay "1" at 2645,1070 h40; Top Overlay "2" at 2625,1170 h40; Top Overlay "5" at 2985,1070 h40; Top Overlay "6" at 2985,1170 h40
P3: Top Overlay "1" at 385,2180 h40 r90; Top Overlay "2" at 385,2365 h40 r90
P4: Top Overlay "1" at 385,1635 h40 r90; Top Overlay "2" at 385,1820 h40 r90
P5: Top Overlay "7" at 385,1265 h40 r90; Top Overlay "6" at 385,1065 h40 r90; Top Overlay "5" at 385,865 h40 r90; Top Overlay "4" at 385,665 h40 r90; Top Overlay "3" at 385,465 h40 r90; Top Overlay "2" at 385,265 h40 r90; Top Overlay "1" at 385,80 h40 r90